# Altium PCB motordriver-v5.1_willem.PcbDoc (part 1 of 6)
Units mil, origin at the board's own origin, x right, y up, seen from the top; angles counter-clockwise.
Board outline 3985.43 x 6141.73 mil, 4 copper layers (Top Copper, Signal Layer 1, Signal Layer 2, Bottom Copper), stack 46.063 mil thick; 731 components, 510 nets, 2436 pads, 771 vias.
Unrouted connection lines stored in the file: 766.
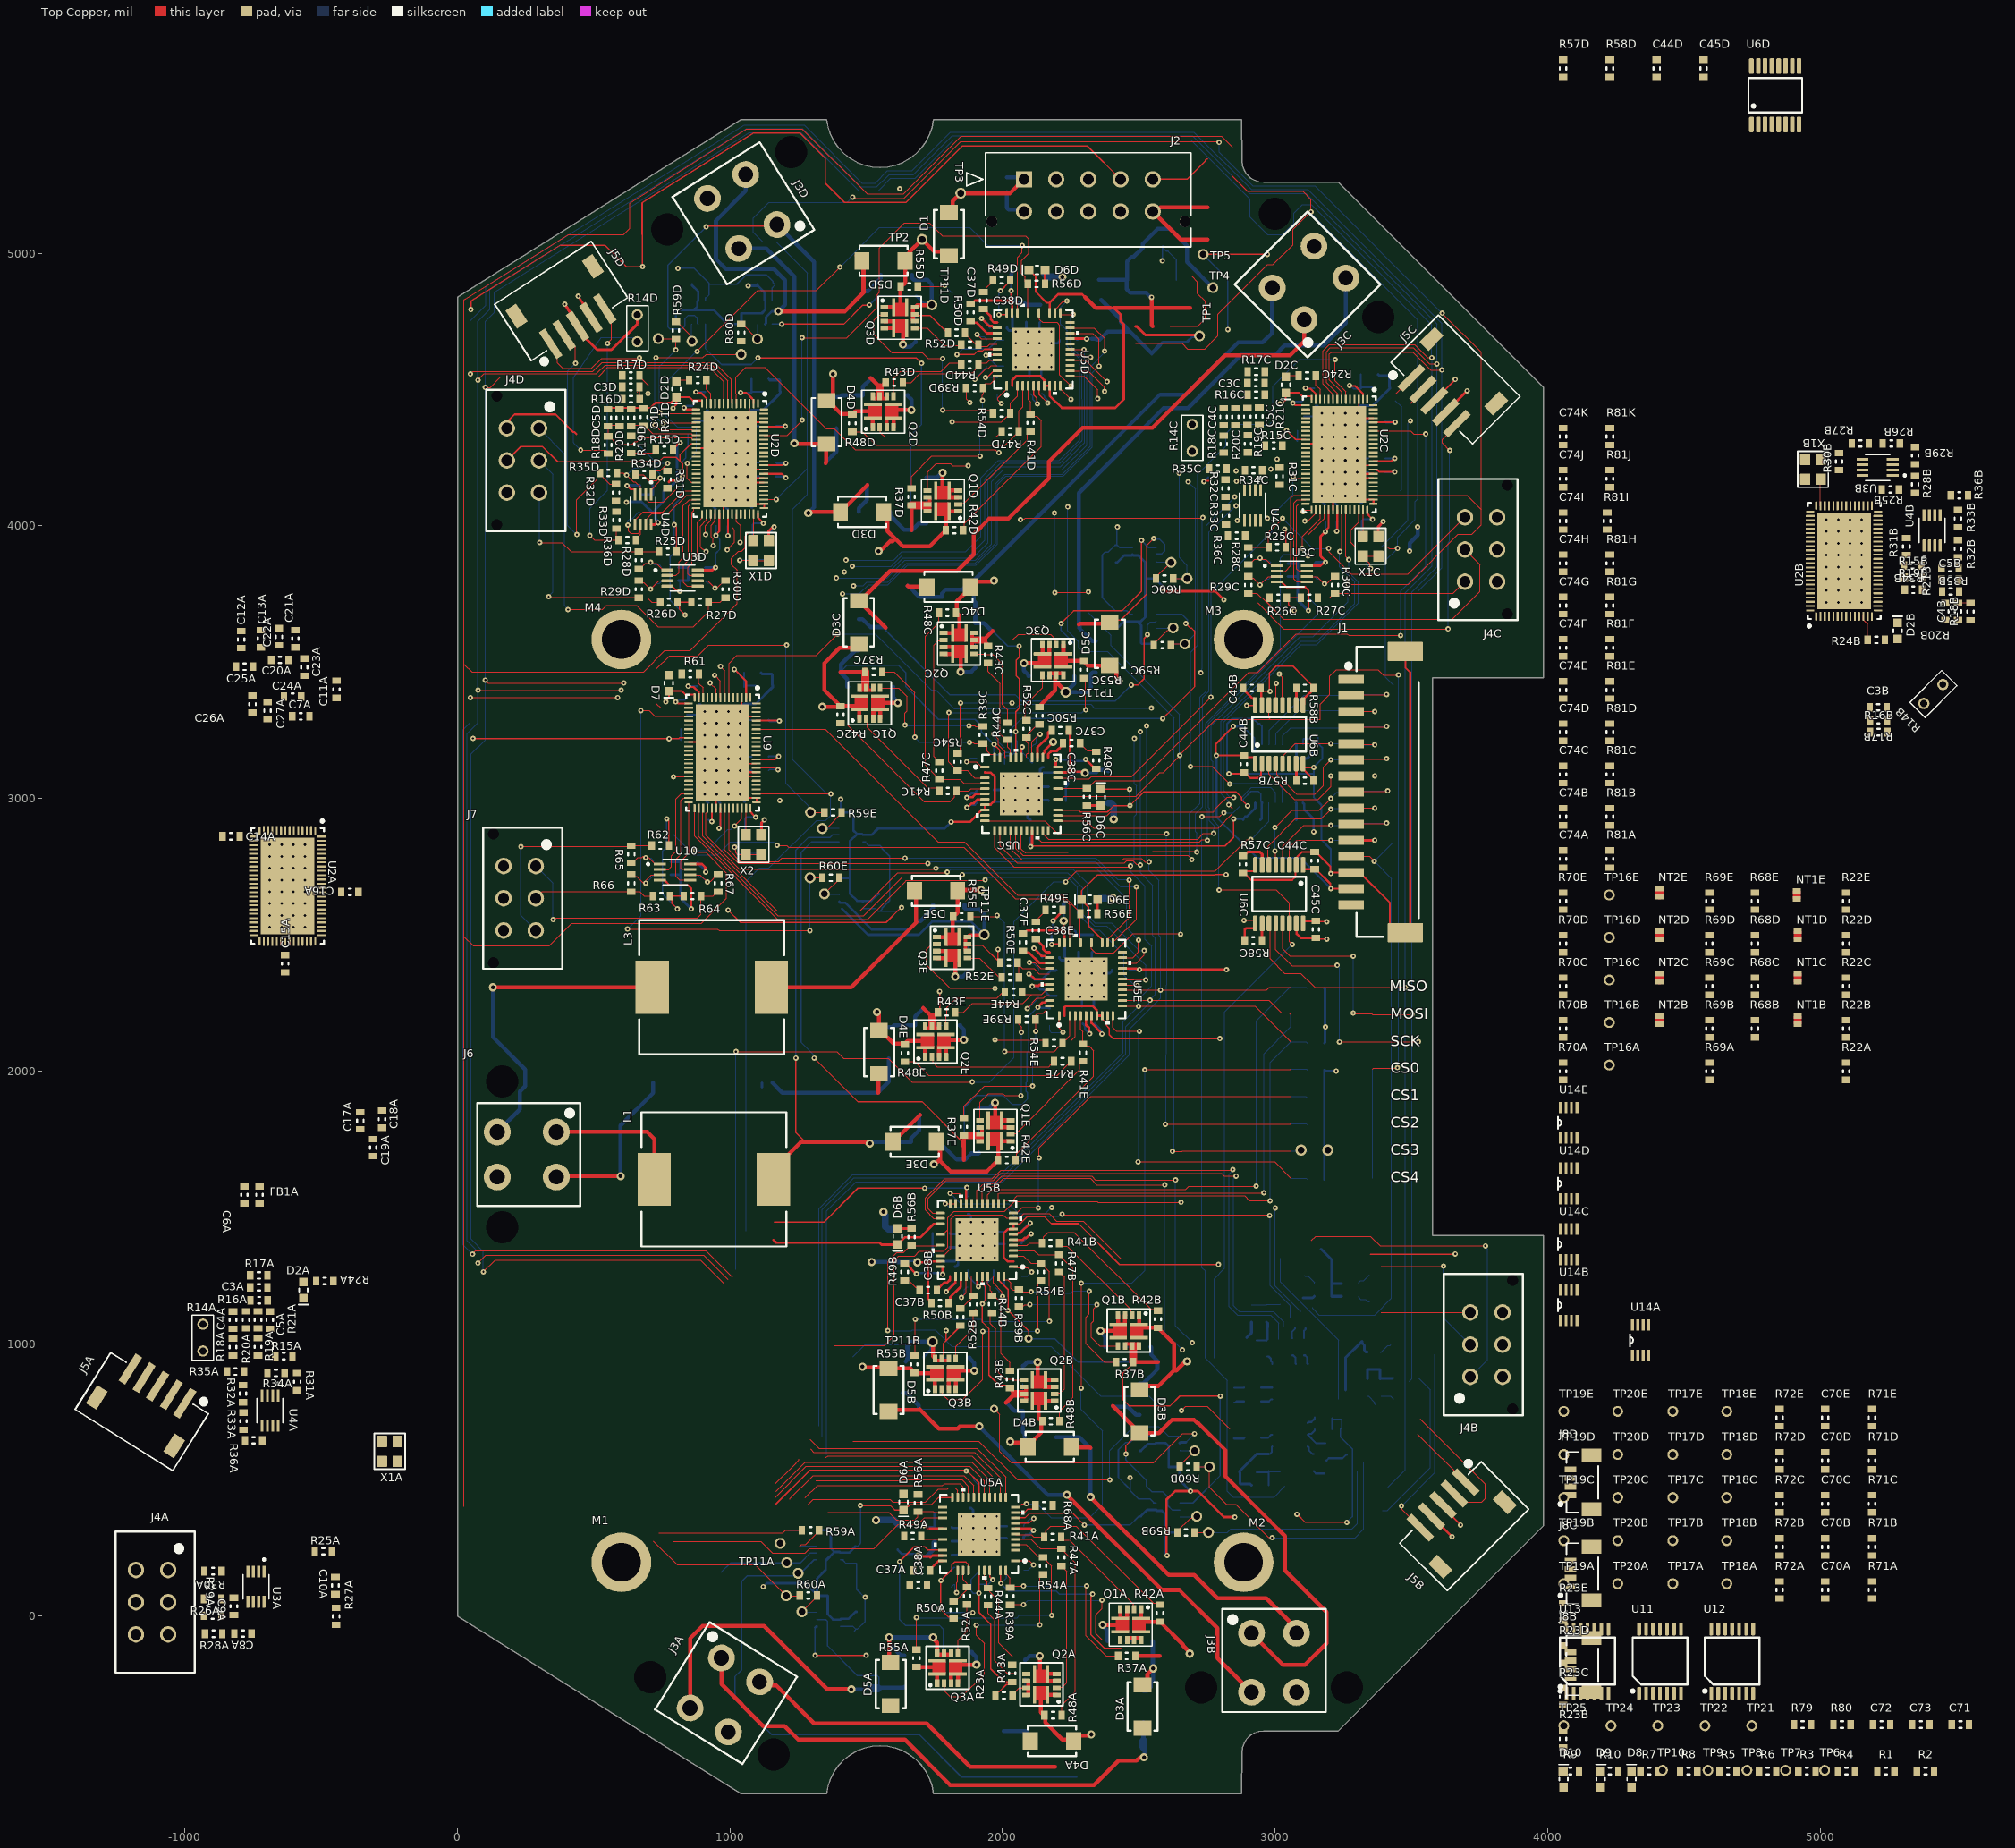
[diagram p0: Top Copper view]
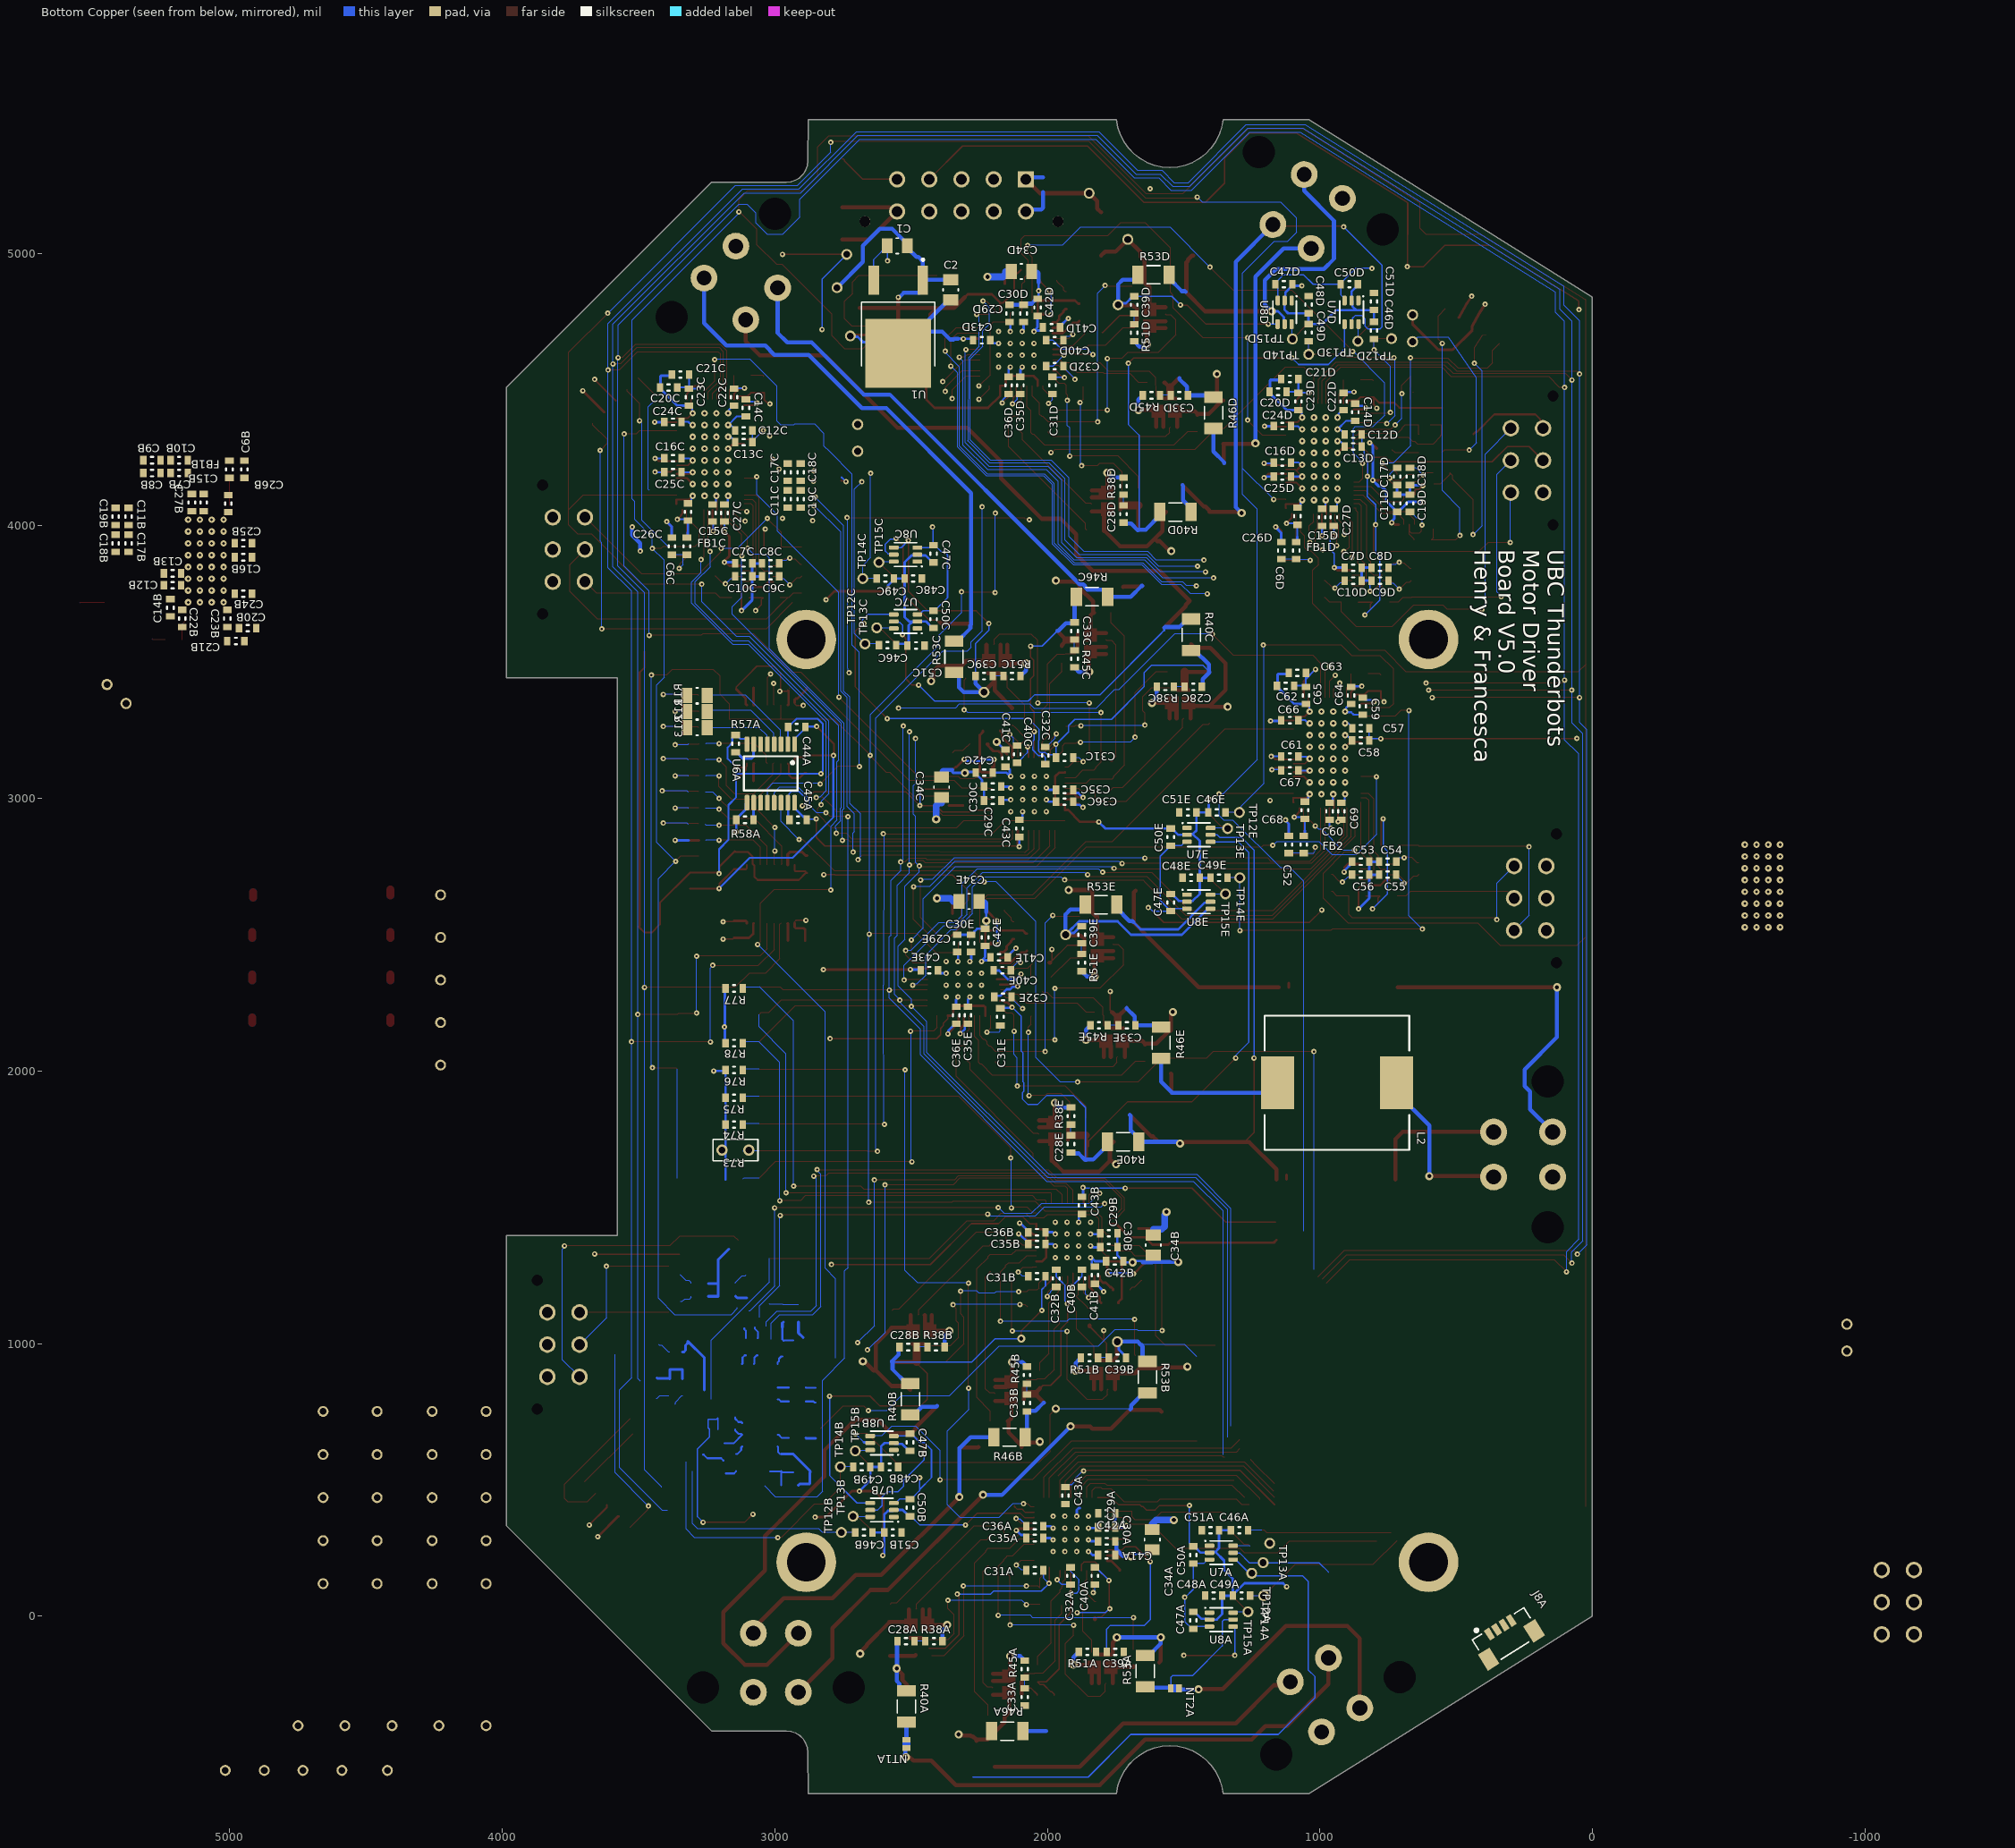
[diagram p1: Bottom Copper view, seen from below]
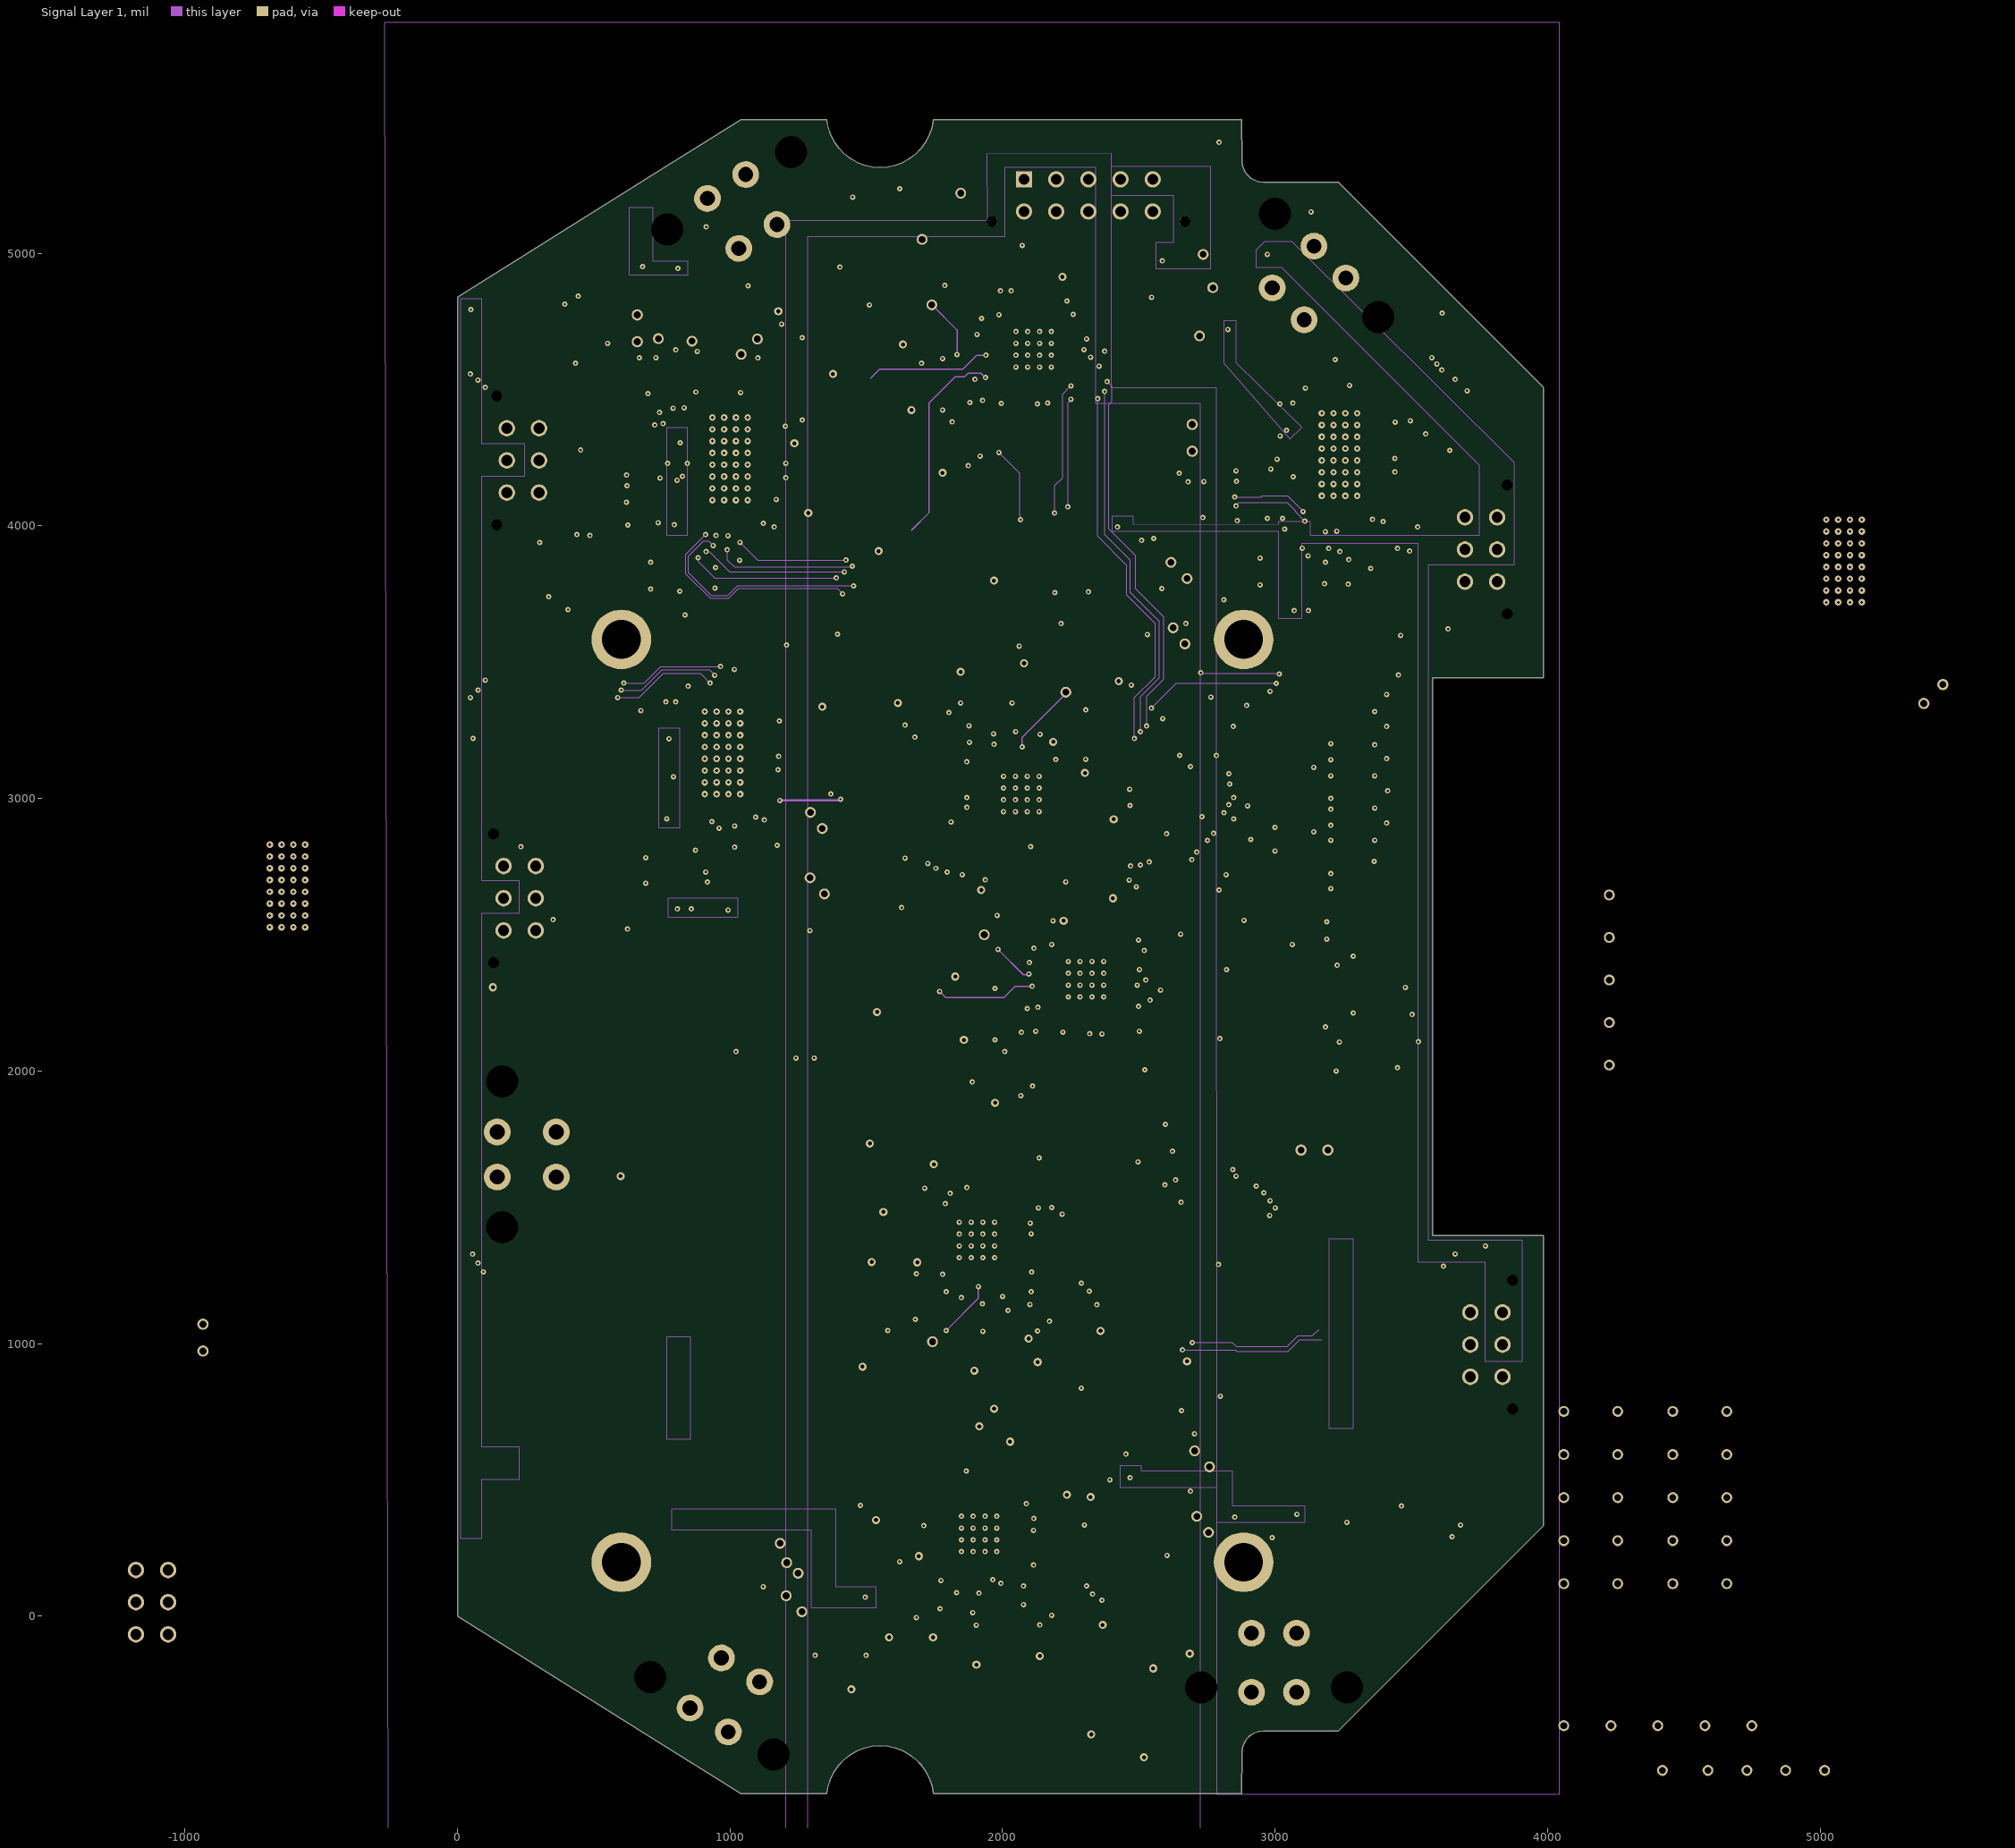
[diagram p2: Signal Layer 1]
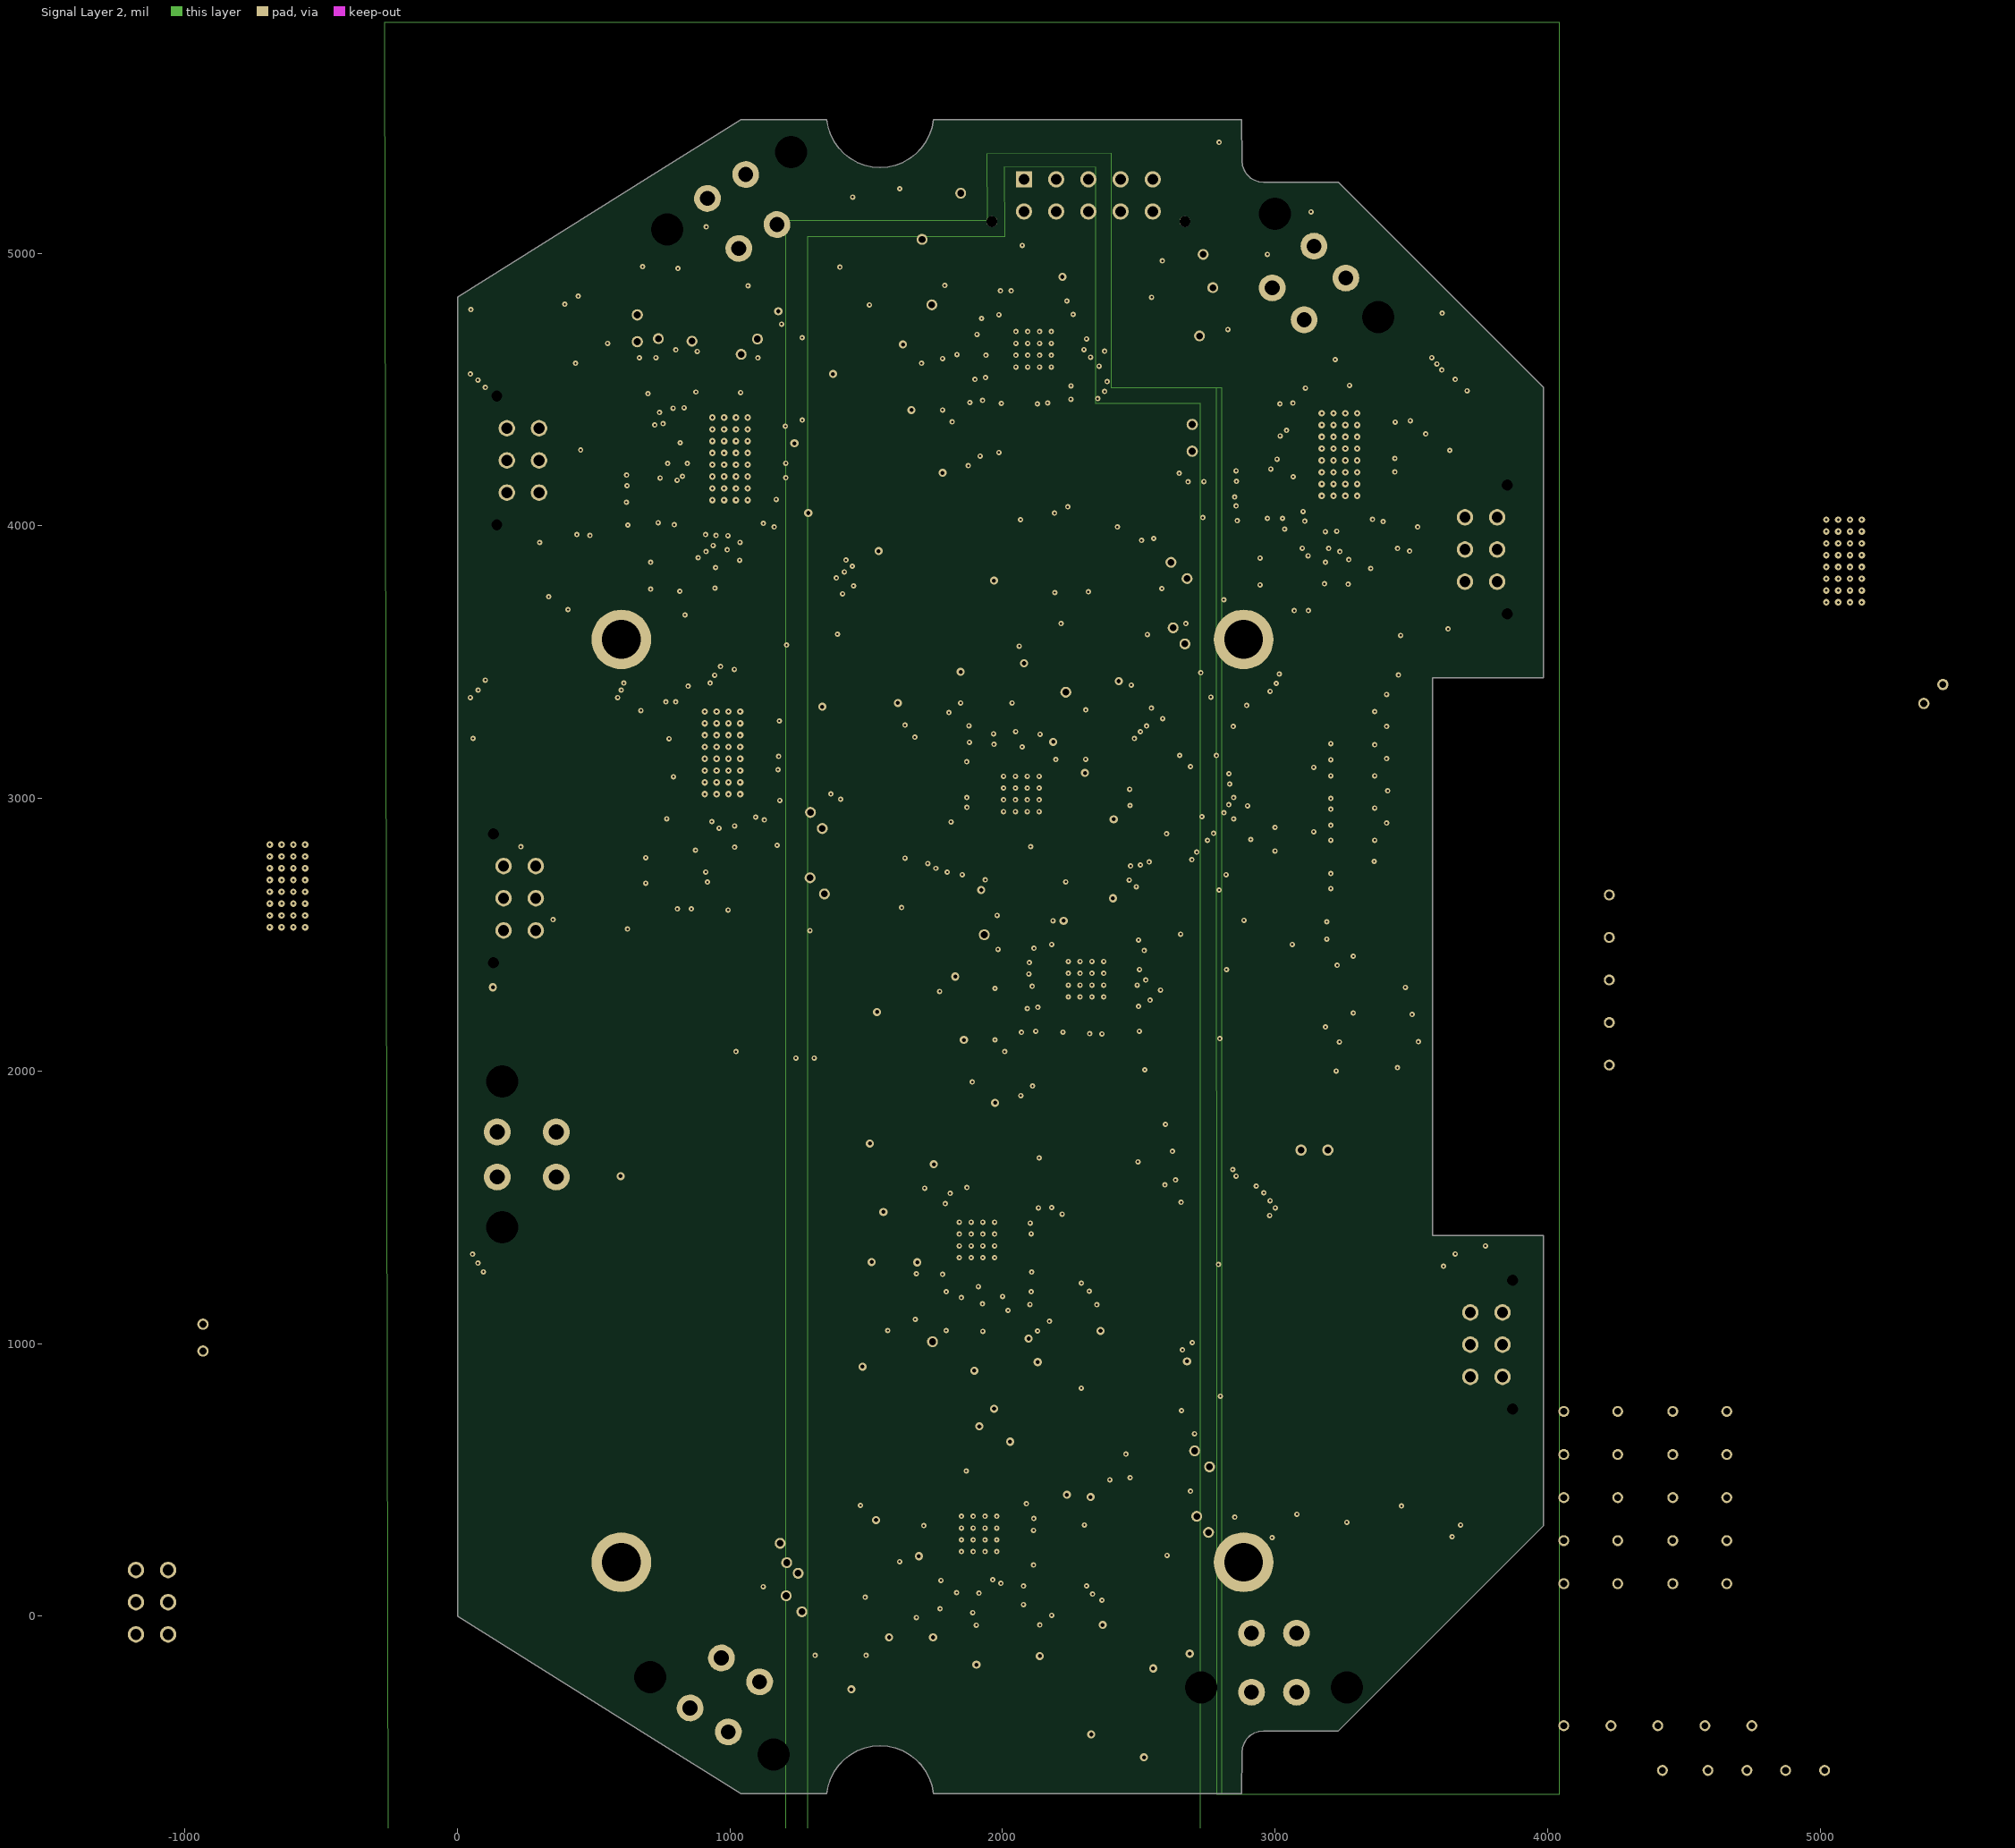
[diagram p3: Signal Layer 2]

## Layer stack, top to bottom
Top Mask: solder mask 0.591, Solder Resist, Dk 3.8
Top Copper: signal copper 1.378
Dielectric 1: prepreg 3.937, 2313, Dk 4.05
Signal Layer 1: signal copper 0.689
Core: core 34.055, FR-4, Dk 4.5
Signal Layer 2: signal copper 0.689
Dielectric 2: prepreg 3.937, 2313, Dk 4.05
Bottom Copper: signal copper 1.378
Bottom Mask: solder mask 0.591, Solder Resist, Dk 3.8

## Board outline
1355.04,-651.22 1360.24,-622.91 1369.49,-595.71 1382.6,-570.12 1399.33,-546.69 1419.29,-525.98 1442.05,-508.39 1467.09,-494.33 1493.98,-484.05 1522.05,-477.79 1550.71,-475.67 1579.41,-477.79 1607.48,-484.05 1634.33,-494.33 1659.41,-508.39 1682.17,-525.98 1702.13,-546.69 1718.86,-570.12 1731.97,-595.71 1741.22,-622.91 1746.42,-651.22 2877.01,-651.22 2878.78,-500 2880.75,-482.48 2886.57,-465.83 2895.94,-450.91 2908.43,-438.42 2923.35,-429.06 2940,-423.23 2957.52,-421.26 3232.44,-421.26 3985.43,331.77 3985.43,1396.02 3578.35,1396.02 3578.35,3443.27 3985.43,3443.27 3985.43,4507.56 3232.44,5260.55 2957.52,5260.55 2940,5262.52 2923.35,5268.35 2908.43,5277.72 2895.94,5290.2 2886.57,5305.12 2880.75,5321.77 2878.78,5339.29 2877.01,5490.51 1746.42,5490.51 1741.22,5462.24 1731.97,5435 1718.82,5409.41 1702.13,5385.98 1682.17,5365.28 1659.41,5347.68 1634.33,5333.62 1607.48,5323.35 1579.41,5317.09 1550.71,5314.96 1522.05,5317.09 1493.98,5323.35 1467.09,5333.62 1442.05,5347.68 1419.29,5365.28 1399.33,5385.98 1382.6,5409.41 1369.49,5435 1360.24,5462.24 1355.04,5490.51 1040.08,5490.51 704.33,5280.28 0,4839.29 0,0 704.33,-440.98 1040.08,-651.22

## Design rules (kind name [scope] priority, off if disabled: settings)
BoardOutlineClearance [All] p1: gap=10 ignorepadtopadclearanceinfootprint=FALSE except(0: Arc-SplitContinuation Track-SplitContinuation SMDPad-SplitContinuation THPad-SplitContinuation Via-SplitContinuation Fill-SplitContinuation Poly-SplitContinuation Region-SplitContinuation Text-SplitContinuation)
Clearance "Clearance Bottom Layer" [OnLayer('Bottom Layer')] p1: gap=8 ignorepadtopadclearanceinfootprint=TRUE except(10: Arc-Text Track-Text SMDPad-Text THPad-Text Via-Text Fill-Text Poly-Text Region-Text Text-Text)
Clearance "Clearance Top Layer" [OnLayer('Top Layer')] p2: gap=8 ignorepadtopadclearanceinfootprint=TRUE except(10: Arc-Text Track-Text SMDPad-Text THPad-Text Via-Text Fill-Text Poly-Text Region-Text Text-Text)
Clearance [All] p3: gap=7.87 ignorepadtopadclearanceinfootprint=FALSE except(3.5: Arc-Arc Arc-Track Arc-SMDPad Track-Track Track-SMDPad SMDPad-SMDPad; 5: Arc-Via Track-Via SMDPad-Via THPad-Via Via-Via; 10: Arc-Text Track-Text SMDPad-Text THPad-Text Via-Text Fill-Text Poly-Text Region-Text Text-Text)
DiffPairsRouting [All] p1: maxlimit=10 minlimit=10 mostfreqgap=10 toplayer_minwidth=15 toplayer_maxwidth=15 toplayer_prefwidth=15 midlayer1_minwidth=15 midlayer1_maxwidth=15 midlayer1_prefwidth=15 midlayer2_minwidth=15 midlayer2_maxwidth=15 midlayer2_prefwidth=15 bottomlayer_minwidth=15 bottomlayer_maxwidth=15 bottomlayer_prefwidth=15 maxuncoupledlength=500
HoleSize [All] p1: absolutevalues=TRUE maxlimit=157.48 minlimit=7.87 maxpercent=80.000 minpercent=20.000
MinimumSolderMaskSliver [All] p1: minsoldermaskwidth=3.94
PlaneClearance PlaneClearance_1 [InNetClass('VCC')] p1: clearance=30
PlaneClearance [All] p2: clearance=20
PolygonConnect PolygonConnect_GND [All vs InNamedPolygon('GND')] p1: thpad.connectstyle=Relief thpad.reliefconductorwidth=10 thpad.reliefentries=4 thpad.polygonreliefangle="90 Angle" thpad.airgapwidth=10 smdpad.connectstyle=Relief smdpad.reliefconductorwidth=10 smdpad.reliefentries=4 smdpad.polygonreliefangle="90 Angle" smdpad.airgapwidth=10 via.connectstyle=Direct via.reliefconductorwidth=10 via.reliefentries=4 via.polygonreliefangle="90 Angle" via.airgapwidth=10
PolygonConnect PolygonConnect_PGND [All vs InNamedPolygon('PGND')] p2: thpad.connectstyle=Relief thpad.reliefconductorwidth=10 thpad.reliefentries=4 thpad.polygonreliefangle="90 Angle" thpad.airgapwidth=10 smdpad.connectstyle=Relief smdpad.reliefconductorwidth=10 smdpad.reliefentries=4 smdpad.polygonreliefangle="90 Angle" smdpad.airgapwidth=10 via.connectstyle=Direct via.reliefconductorwidth=10 via.reliefentries=4 via.polygonreliefangle="90 Angle" via.airgapwidth=10
RoomDefinition "Trinamic Controller 3" [InComponentClass('Trinamic Controller 3')] p1: confinementstyle=ConfineIn formatcopy=TRUE lockcomponents=FALSE outline 1224.41,4586.61 507.87,4586.61 507.87,3649.61 1224.41,3649.61
RoomDefinition U_isolation_3 [InComponentClass('U_isolation_3')] p2: confinementstyle=ConfineIn formatcopy=TRUE lockcomponents=FALSE outline 4030.61,5427.89 4952.61,5427.89 4952.61,5793.89 4030.61,5793.89
RoomDefinition U_isolation_2 [InComponentClass('U_isolation_2')] p3: confinementstyle=ConfineIn formatcopy=TRUE lockcomponents=FALSE outline 2857,2451 3175,2451 3175,2821 2857,2821
RoomDefinition U_isolation_1 [InComponentClass('U_isolation_1')] p4: confinementstyle=ConfineIn formatcopy=TRUE lockcomponents=FALSE outline 2862,3042 3166,3042 3166,3435 2862,3435
RoomDefinition U_isolation_0 [InComponentClass('U_isolation_0')] p5: confinementstyle=ConfineIn formatcopy=TRUE lockcomponents=FALSE outline 2861,2899 3179,2899 3179,3290 2861,3290
RoomDefinition "Trinamic Controller 4" [InComponentClass('Trinamic Controller 4')] p6: confinementstyle=ConfineIn formatcopy=TRUE lockcomponents=FALSE outline 605,2618 1175,2618 1175,3493 605,3493
RoomDefinition "LP Filter 10" [InComponentClass('LP Filter 10')] p7: confinementstyle=ConfineIn formatcopy=TRUE lockcomponents=FALSE outline 4030.61,4274.89 4335.61,4274.89 4335.61,4442.89 4030.61,4442.89
RoomDefinition "LP Filter 9" [InComponentClass('LP Filter 9')] p8: confinementstyle=ConfineIn formatcopy=TRUE lockcomponents=FALSE outline 4030.61,4119.89 4335.61,4119.89 4335.61,4287.89 4030.61,4287.89
RoomDefinition "LP Filter 7" [InComponentClass('LP Filter 7')] p9: confinementstyle=ConfineIn formatcopy=TRUE lockcomponents=FALSE outline 4030.61,3809.89 4335.61,3809.89 4335.61,3977.89 4030.61,3977.89
RoomDefinition "LP Filter 6" [InComponentClass('LP Filter 6')] p10: confinementstyle=ConfineIn formatcopy=TRUE lockcomponents=FALSE outline 4030.61,3654.89 4335.61,3654.89 4335.61,3822.89 4030.61,3822.89
RoomDefinition "LP Filter 5" [InComponentClass('LP Filter 5')] p11: confinementstyle=ConfineIn formatcopy=TRUE lockcomponents=FALSE outline 4030.61,3499.89 4335.61,3499.89 4335.61,3667.89 4030.61,3667.89
RoomDefinition "LP Filter 4" [InComponentClass('LP Filter 4')] p12: confinementstyle=ConfineIn formatcopy=TRUE lockcomponents=FALSE outline 4030.61,3344.89 4335.61,3344.89 4335.61,3512.89 4030.61,3512.89
RoomDefinition "LP Filter 3" [InComponentClass('LP Filter 3')] p13: confinementstyle=ConfineIn formatcopy=TRUE lockcomponents=FALSE outline 4030.61,3189.89 4335.61,3189.89 4335.61,3357.89 4030.61,3357.89
RoomDefinition "LP Filter 2" [InComponentClass('LP Filter 2')] p14: confinementstyle=ConfineIn formatcopy=TRUE lockcomponents=FALSE outline 4030.61,3034.89 4335.61,3034.89 4335.61,3202.89 4030.61,3202.89
RoomDefinition "LP Filter 1" [InComponentClass('LP Filter 1')] p15: confinementstyle=ConfineIn formatcopy=TRUE lockcomponents=FALSE outline 4030.61,2879.89 4335.61,2879.89 4335.61,3047.89 4030.61,3047.89
RoomDefinition "LP Filter 0" [InComponentClass('LP Filter 0')] p16: confinementstyle=ConfineIn formatcopy=TRUE lockcomponents=FALSE outline 4030.61,2724.89 4335.61,2724.89 4335.61,2892.89 4030.61,2892.89
RoomDefinition "Driver Power Stage 3" [InComponentClass('Driver Power Stage 3')] p17: confinementstyle=ConfineIn formatcopy=TRUE lockcomponents=FALSE outline 1276.18,3905.51 2327.36,3905.51 2327.36,5039.37 1276.18,5039.37